# KiCad board HPM6E00ADCEVKRevC.kicad_pcb (continued)
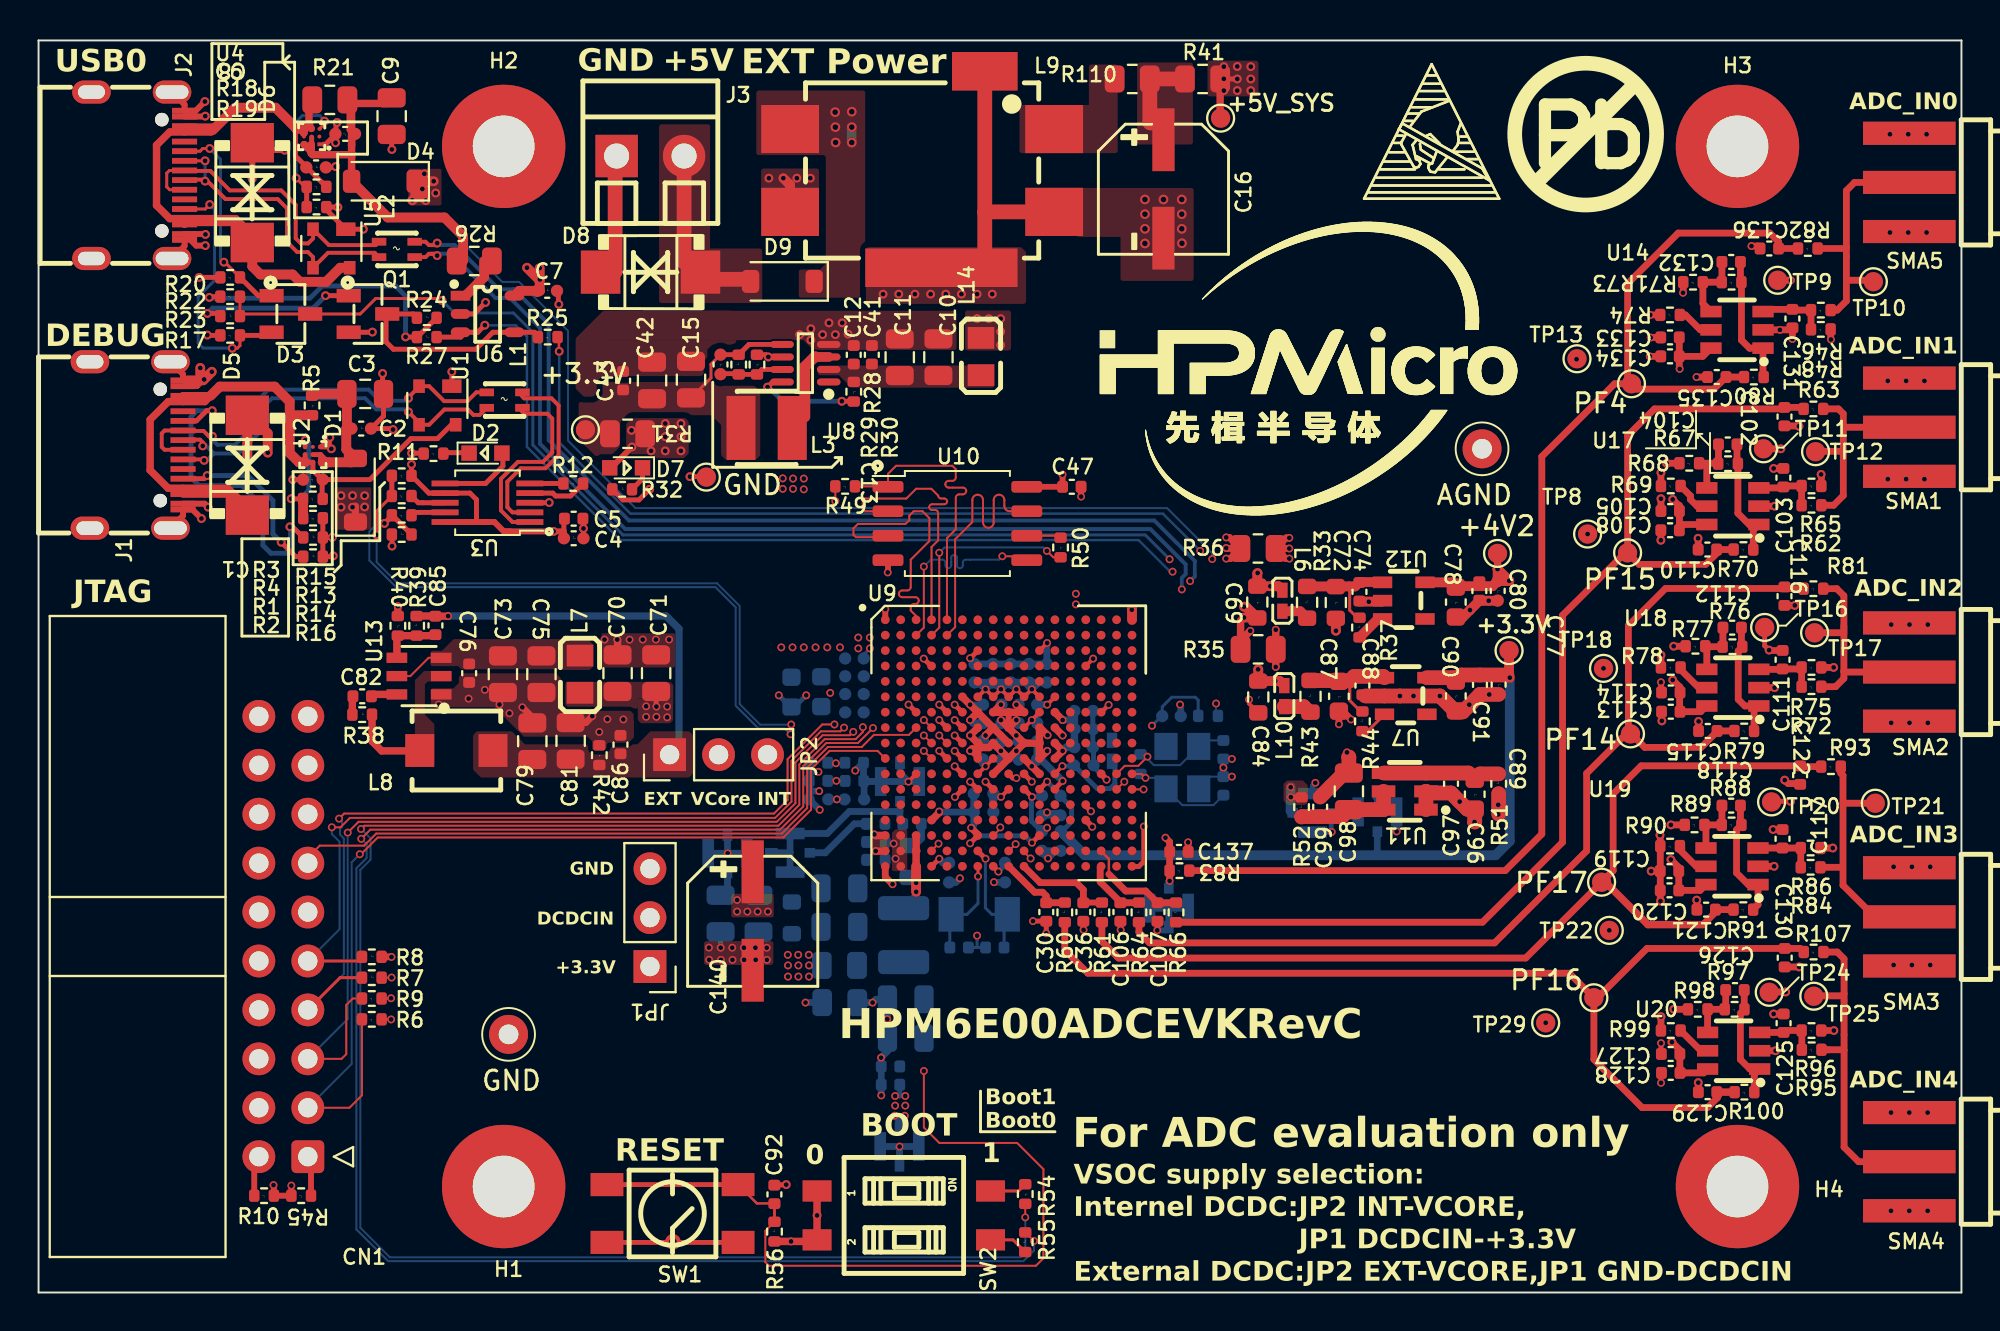
[diagram p0: board, top side]
## Routing (per net, layer and track width the routed paths; a pad name or vN(x,y) marks a point on that pad's centre or on a via; arc(x,y) is an arc through that point) (continued)
/HPM6E00ADCEVKRevC MAINENTRY/PA4: length 35.9
  Top w0.102: CN1.13 13.97,22.58 14.59,23.2 16.89,23.2 17.51,23.83 38.55,23.83 39.88,25.15 39.88,27.25 40.95,28.32 42.71,28.32 43.34,28.95 45.15,28.95 U9.H3
/HPM6E00ADCEVKRevC MAINENTRY/PA5: length 52.7
  Top w0.102: 46.33,29.32 v2(45.93,29.72) ; CN1.5 15.72,12.13 15.96,12.38 15.96,14.92 16.3,15.26 R9.2 ; v2(42.27,29.1) 42.09,28.93 40.68,28.93 39.27,27.52 39.27,25.4 38.3,24.44 16.6,24.44 v2(16.04,23.88)
  In2.Cu w0.102: v2(42.27,29.1) 42.27,29.36 42.91,30 43.64,30 43.92,29.72 v2(45.93,29.72)
  Bottom w0.102: CN1.5 16.04,14.2 v2(16.04,23.88)
/HPM6E00ADCEVKRevC MAINENTRY/PA6: length 46.8
  Top w0.102: v2(41.79,29.33) 41.6,29.13 40.59,29.13 39.06,27.6 39.06,25.49 38.22,24.64 16.15,24.64 15.66,24.15 v2(15.21,24.15)
  Top w0.152: CN1.9 16.56,17.21 R8.1
  Top w0.254: 47.13,29.32 v2(46.73,29.72)
  In2.Cu w0.102: v2(46.73,29.72) 46.37,30.07 45.78,30.07 45.63,29.92 44.01,29.92 43.72,30.2 42.67,30.2 v2(41.79,29.33)
  Bottom w0.102: v2(15.21,24.15) 15.21,23.8 15.61,23.4 15.61,18.86 CN1.9
/HPM6E00ADCEVKRevC MAINENTRY/PA7: length 50
  Top w0.102: v2(15.59,24.6) 15.85,24.86 38.15,24.86 38.86,25.57 38.86,27.69 40.66,29.49 v2(41.29,29.49)
  Top w0.152: CN1.7 15.64,16.34 R7.1
  Top w0.254: 47.13,30.12 v2(46.73,30.52)
  In2.Cu w0.102: v2(41.29,29.49) 42.21,30.41 43.81,30.41 44.09,30.12 45.52,30.12 45.71,30.32 46.53,30.32 v2(46.73,30.52)
  Bottom w0.102: v2(15.59,24.6) 15.74,24.45 15.74,24.17 15.64,24.08 15.64,23.77 15.84,23.58 15.84,16.54 CN1.7
/HPM6E00ADCEVKRevC MAINENTRY/PA8: length 52.2
  Top w0.102: 43.93,27.72 43.53,28.12 41.04,28.12 40.08,27.16 40.08,25.06 38.64,23.62 17.6,23.62 16.73,22.75 v2(16.66,22.75) ; CN1.3 16.13,9.59 16.78,10.24 R6.2
  Bottom w0.102: v2(16.66,22.75) 16.24,22.33 16.24,11.86 CN1.3
/HPM6E00ADCEVKRevC MAINENTRY/PF4: length 7.9
  Top w0.203: 58.85,23.03 58.83,23.03 58.69,22.88
  Top w0.254: 58.68,22.06 58.7,22.03 ; v2(54.6,24.98) 54.33,25.25 U9.N14
  Top w0.349: v2(58.68,21.37) R83.2 58.68,23.39 v2(58.46,23.61)
  In2.Cu w0.349: v2(54.6,24.98) 54.63,24.95 54.64,24.95 55.94,23.65 58.42,23.65 v2(58.46,23.61)
  Bottom w0.349: W5.1 58.64,21.33 v2(58.68,21.37)
/HPM6E00ADCEVKRevC MAINENTRY/PF14: length 3.3
  Top w0.349: 55.13,22.12 55.08,22.07 55.08,21.31 56.13,20.27 C106.1 57.08,20.23 R64.2
/HPM6E00ADCEVKRevC MAINENTRY/PF15: length 5.5
  Top w0.127: 55.13,22.92 55.53,22.52 55.53,21.72
  Top w0.349: R66.2 59,20.23 C107.1 57.44,20.84 56.4,20.84 55.53,21.72
/HPM6E00ADCEVKRevC MAINENTRY/PF16: length 3.9
  Top w0.349: R60.2 53.23,20.23 C30.1 52.28,20.58 52.09,20.78 51.67,20.78 U9.U9
/HPM6E00ADCEVKRevC MAINENTRY/PF17: length 5.2
  Top w0.3: R61.2 54.21,20.24 C36.1
  Top w0.349: C36.1 54.2,20.91 53.84,21.28 51.96,21.28 51.13,22.11 51.13,22.12
/HPM6E00ADCEVKRevC MAINENTRY/PF18: length 67.8
  Top w0.102: v2(51.47,22.53) 51.13,22.87 51.13,22.92
  Top w0.127: v1(27.01,48.86) 27,48.87 27,49.6
  In2.Cu w0.102: v2(51.47,22.53) 51.14,22.86 51.14,24.7 51.61,25.17 52.03,25.17 52.61,25.76 55.79,25.76 57,24.54 59.63,24.54 60.53,25.44 60.53,38.24 v2(60.27,38.5)
  Bottom w0.127: v1(27.01,48.86) 27.01,44.13 30.71,40.43 58.33,40.43 v2(60.27,38.5)
/HPM6E00ADCEVKRevC MAINENTRY/PF22: length 85.4
  Top w0.102: 50.33,22.92 50.69,23.28 v2(50.69,23.28)
  Top w0.152: R22.1 R23.2 10.56,50.8 16.69,50.8 17.49,51.6 20.83,51.6 v1(20.93,51.5)
  In2.Cu w0.102: v2(58.68,38.07) 59.18,38.07 59.53,37.72 59.93,37.72 60.33,37.32 60.33,25.52 59.55,24.75 57.08,24.75 55.87,25.96 52.53,25.96 51.94,25.37 51.27,25.37 50.69,24.79 v2(50.69,23.28)
  Bottom w0.152: v1(20.93,51.5) 21.58,50.85 24.64,50.85 25.64,49.85 25.64,44 30.32,39.33 57.42,39.33 v2(58.68,38.07)
/HPM6E00ADCEVKRevC MAINENTRY/PF23: length 74.2
  Top w0.102: 49.53,23.72 49.9,24.08 v2(49.9,24.14)
  Top w0.254: v1(23.15,50.22) 22.78,49.85 22.15,49.85 21.9,49.6 R27.2
  In2.Cu w0.102: v2(58.83,37.42) 59.82,37.42 60.12,37.12 60.12,25.61 59.46,24.95 57.19,24.95 55.98,26.16 49.86,26.16 49.42,25.72 49.42,24.62 v2(49.9,24.14)
  Bottom w0.127: v1(23.15,50.22) 23.16,50.21 24.75,50.21 25.34,49.62 25.34,43.9 30.18,39.06 57.07,39.06 58.68,37.45 58.97,37.45
/HPM6E00ADCEVKRevC MAINENTRY/Power/DCDC_3.3V: length 6.3
  Top w0.152: C13.1 34.88,48.19 34.88,47.48 C15.1
  Top w0.25: R29.2 36.32,48.69 C13.1
  Top w0.254: U8.5 36.86,49.22 R29.2
/HPM6E00ADCEVKRevC MAINENTRY/Power/SW: length 5
  Top w0.508: 39.75,45.46 39.07,44.78 ; U8.3 40.34,48.57
  Top w0.559: 40.34,48.57 40.26,48.57 39.75,48.06 39.75,45.46
/HPM6E00ADCEVKRevC MAINENTRY/USB0_N: length 66.7
  Top w0.102: 56.73,26.12 v2(57.33,26.12)
  Top w0.2: 20.68,53.8 20.55,53.92 20.4,53.92 ; 20.4,53.92 20.68,53.92 ; 20.4,53.92 20.25,53.92 20.08,53.75 19.52,53.75
  In2.Cu w0.102: v2(57.33,26.12) 57.18,25.97 57.18,25.68 57.39,25.47 59.27,25.47 59.58,25.78 59.58,36.45 59.53,36.5 v2(59.31,36.5)
  Bottom w0.2: v1(20.68,53.83) 20.78,53.93 21.4,53.93 23.7,51.64 24.45,51.64 26.02,50.08 26.02,44.06 30.44,39.63 57.68,39.63 59.51,37.8 59.51,37.3 59.31,37.1 v2(59.31,36.5)
/HPM6E00ADCEVKRevC MAINENTRY/USB0_P: length 68.7
  Top w0.102: 55.93,26.12 v2(56.33,26.52)
  Top w0.2: 20.51,54.38 20.68,54.38 ; 20.51,54.38 20.25,54.38 20.08,54.55 19.52,54.55 ; 20.51,54.38 20.6,54.38 20.68,54.45
  In2.Cu w0.102: v2(56.33,26.52) 56.88,25.97 56.88,25.55 57.27,25.16 59.39,25.16 59.88,25.65 59.88,36.58 59.74,36.72 v2(59.74,36.93)
  Bottom w0.2: v1(20.68,54.48) 20.78,54.38 21.59,54.38 23.88,52.09 24.65,52.09 26.46,50.28 26.46,44.24 30.63,40.08 57.89,40.08 59.99,37.98 59.99,37.18 v2(59.74,36.93)
/HPM6E00ADCEVKRevC MAINENTRY/USB/DN: length 15.9
  Top w0.152: J2.B7 8.64,58.75 v1(8.64,58.75)
  Top w0.2: 17.66,53.75 17.44,53.98 15.02,53.98 U5.3 14.24,53.75 13.98,54.01 13.42,54.01 12.89,54.54 12.89,56.28 12.41,56.77 9.69,56.77 8.68,57.77 8.1,57.77 8.08,57.75 J2.A7
  Bottom w0.152: v1(8.64,57.7) v1(8.64,58.75)
/HPM6E00ADCEVKRevC MAINENTRY/USB/DP: length 16.4
  Top w0.152: J2.A6 6.79,58.25 6.65,58.11 6.65,57.4 6.8,57.25 J2.B6
  Top w0.2: 17.66,54.55 17.49,54.38 15.06,54.38 U5.2 14.24,54.72 13.98,54.46 13.61,54.46 13.34,54.73 13.34,56.47 12.59,57.22 9.92,57.22 8.91,58.23 8.1,58.23 8.08,58.25 J2.A6
/HPM6E00ADCEVKRevC MAINENTRY/USB/VUSB_IN: length 36.4
  Top w0.254: R18.1 13.33,59 13.33,60.37 13.37,60.41
  Top w0.381: 13.75,60.18 13.77,60.2 U4.C3 14.06,60.7 ; J2.A9 7.68,55.55 10.43,55.55 11.09,54.89 10.23,55.75 J2.B4 6.81,55.75 6.12,56.44 6.12,59.56 6.81,60.25 J2.B9 8.94,60.25 9.19,60.5 7.63,60.5 ; 14.35,61.73 14.03,61.41 14.03,60.73 14.06,60.7 ; 14.06,60.7 14.06,60.52 14.15,60.43
  Top w0.508: U5.4 15.65,53.2 14.92,52.47 13.56,52.47 13.18,52.85 11.51,52.85 11.09,53.27 11.09,54.89 ; U4.C3 13.37,60.41 13.37,60.43 12.29,61.51 10.2,61.51 9.04,60.35
DCDC_GND: length 10.4
  Top w0.381: 44.73,23.72 44.69,23.72 ; 44.73,22.92 44.72,22.92 ; 44.73,22.12 44.73,22.12
  Bottom w0.349: 38.99,22.85 W1.3 40.91,23.83 42.06,24.97 44.69,24.97 ; 38.99,22.85 W1.2 ; 38.99,22.85 38.96,22.83 W1.4 ; W6.1 44.69,24.97 ; 44.69,24.97 44.69,24.47 C26.2
  vias: v2(44.36,23.31) v2(44.46,22.52)
DCDC_IN: length 4.7
  Top w0.381: v2(43.36,23.78) 43.42,23.72 43.93,23.72 ; v2(43.43,22.92) 43.93,22.92
  Bottom w0.349: W1.1 40.81,22.83 42.32,24.33 C28.1
DCDC_VCore: length 8
  Top w0.254: 47.93,26.12 47.54,25.73 v2(47.54,25.72)
  In2.Cu w0.203: 45.36,21.8 45.36,22.45 46.16,23.25 46.16,25.4 46.49,25.72 v2(47.54,25.72)
  Bottom w0.254: C124.1 44.68,10.21 44.69,10.2
  Bottom w0.349: v2(44.94,9.17) 44.66,8.9 W3.1 44.66,8.92 v2(44.41,9.17)
  vias: v2(44.44,10.2) v2(44.44,9.7) v2(44.96,10.2) v2(44.96,9.7)
VREFH: length 7.2
  Top w0.102: U9.M10 51.14,26.12 v2(51.54,25.73)
  Top w0.254: v2(51.54,25.73) 51.15,26.12 51.13,26.12
  Top w0.3: v2(64.97,25.72) 64.98,25.71 R52.2
  Bottom w0.254: 52.06,25.74 52.05,25.73 v2(51.54,25.73) 51.51,25.7 51.51,24.47 51.85,24.13 v2(52.32,24.13)
  Bottom w0.349: W8.1 64.97,25 v2(64.97,25.72)
  Bottom w0.508: v2(64.97,25.72) 64.96,25.73 v2(64.96,26.23) 64.96,25.01 W8.1
Net-(C16-Pad1): length 4.1
  Top w0.762: R41.1 R110.2 57.65,60.75 57.69,60.71
Net-(C26-Pad1): length 1.6
  Bottom w0.381: R47.1 45.41,23.2 45.79,23.58 45.79,24.32
Net-(C82-Pad2): length 1
  Top w0.381: R38.1 16.28,30.92 C82.2
Net-(C102-Pad1): length 60.2
  Top w0.349: R63.2 91.49,45.95 C102.1 90.5,45.87 83.83,45.87 82.44,44.47 82.44,38.43 ; R70.2 87.26,38.57 86.49,37.8 83.04,37.8 TP15.1 82.31,38.4 79.06,35.16 79.06,23.38 74.91,19.22 R66.1
Net-(C115-Pad1): length 54.7
  Top w0.349: R81.2 90.67,36.54 C116.1 90.5,36.55 84.41,36.55 82.48,34.62 82.48,29.15 83.33,28.3 86.26,28.3 87.11,29.15 R79.2 ; TP19.1 82.36,29 80.31,26.95 80.31,22.92 75.54,18.15 57.64,18.15 57.09,18.7 R64.1
Net-(C121-Pad1): length 53.3
  Top w0.349: TP23.1 81.69,21.9 81.69,25.89 83.14,27.34 91.35,27.34 91.39,27.38 ; TP23.1 81.17,21.3 ; TP23.1 77.15,17.36 56.03,17.36 55.17,18.22 R61.1 ; R93.2 91.43,27.3 C122.1 ; 86.36,19.1 87.13,19.88 R91.2
  Top w0.381: TP23.1 81.29,21.3 83.49,19.1 86.36,19.1
Net-(C129-Pad1): length 54
  Top w0.349: TP30.1 80.88,15.3 83.44,17.86 91.39,17.86 R107.2 ; TP30.1 79.42,16.58 54.44,16.58 53.24,17.77 R60.1 ; TP30.1 80.69,12.1 83.19,9.6 86.59,9.6 87.1,10.11 87.1,10.4
  Top w0.381: 87.1,10.4 R100.2
Net-(C135-Pad1): length 66.8
  Top w0.349: R82.2 C136.1 90.27,54.55 89.82,55 85.06,55 82.44,52.38 82.44,47.38 TP14.1 ; TP14.1 81.77,47.17 77.99,43.4 77.99,23.8 76.09,21.9 R83.1 ; TP14.1 82.92,46.9 86.92,46.9 87.55,47.53 R80.2
Net-(CN1-Pad1): length 2.1
  Top w0.3: 14.13,5.03 14.13,6.89 CN1.1
Net-(CN1-Pad2): length 2.1
  Top w0.3: R10.2 11.19,6.81 CN1.2
Net-(D1-A): length 8.6
  Top w0.254: U2.A2 15.03,43.1 15.07,43.1 ; U2.A2 U2.A3 ; U2.A2 U2.B2
  Top w0.508: R5.1 14.28,46.65 C3.1 16,44.88 15.96,44.85 15.96,43.78 D1.2 16.24,43.1 14.74,43.1
Net-(D2-A): length 4.1
  Top w0.254: 24.09,43.6 24.09,42.9 23.19,42 U3.6
Net-(D2-K): length 1.1
  Top w0.254: 22.09,43.6 21.05,43.6 R11.1
Net-(D7-K): length 1.3
  Top w0.254: R32.2 31.33,42.24 D7.1
Net-(D9-A): length 9.4
  Top w0.762: J3.2 33.49,53.51 34.4,52.6 36.83,52.6 D9.2
Net-(J1-CC1): length 16.2
  Top w0.25: 7.49,45.25 8.19,45.25 8.72,45.78 v1(9.01,45.78) ; v1(13.04,39.75) 13.18,39.75 R1.1
  Bottom w0.25: v1(13.04,39.75) 13.07,39.72 13.07,38.62 12.83,38.38 12.05,38.38 11.64,38.79 11.64,40.8 10.55,41.89 8.33,41.89 7.91,42.31 7.91,45.46 8.23,45.78 v1(9.01,45.78)
Net-(J1-CC2): length 9.1
  Top w0.25: v1(12.59,38.95) 13.34,38.2 R2.1 ; v1(8.75,42.41) 8.59,42.25 7.49,42.25
  Bottom w0.25: v1(8.75,42.41) 10.86,42.41 12.16,41.11 12.16,39.38 v1(12.59,38.95)
Net-(J2-CC1): length 10.8
  Top w0.152: v1(9.61,53.49) 9.66,53.49 R20.1 ; v1(8.88,59.39) 8.52,59.39 8.38,59.25 J2.A5
  Top w0.254: 12.15,51.75 11.4,51.75 R20.1
  Bottom w0.152: v1(8.88,59.39) 9.44,58.83 9.44,53.64 9.59,53.49 v1(9.61,53.49)
Net-(J2-CC2): length 13.7
  Top w0.152: J2.B5 8.65,56.25 v1(8.88,56.48) ; R17.1 10.45,49.16 10.31,49.02 v1(10.05,49.02)
  Top w0.254: R17.1 11.99,49.69 12.15,49.85
  Bottom w0.152: v1(10.05,49.02) 10.04,49.03 8.54,49.03 8.28,49.29 8.28,51.69 9.13,52.54 9.13,56.23 v1(8.88,56.48)
Net-(JP1-C): length 1.3
  Bottom w0.349: W2.1 35.74,20.98 C14.1
  vias: v2(36.24,20.38) v2(36.24,19.78) v2(36.77,19.78) v2(37.31,19.78) v2(37.84,19.78)
Net-(L6-Pad2): length 1.4
  Top w0.508: L6.2 65.45,35.37 R33.1
Net-(L9-CB): length 0.5
  Top w0.762: L9.2 53.23,60.4
Net-(L10-Pad2): length 1.4
  Top w0.762: 65.93,30.12 65.63,30.42 L10.2
Net-(Q1-D): length 11.7
  Top w0.254: R24.1 19.43,50.8 18.03,50.8 18.03,49.35 18.41,48.97 22.69,48.97 23.57,49.85 25.73,49.85 25.98,49.6
Net-(Q1-G): length 8.5
  Top w0.254: R23.1 9.29,50.83 v1(8.76,50.83) ; 16.15,51.75 v1(14.89,51.75)
  Bottom w0.254: v1(14.89,51.75) 14.24,51.1 9.03,51.1 v1(8.76,50.83)
Net-(SW2-PIN3): length 2.1
  Top w0.152: SW2.3 50.56,2.73 R55.1
Net-(SW2-PIN4): length 1.9
  Top w0.152: R54.1 50.84,5.27 SW2.4
Net-(U2-OVLO): length 5.8
  Top w0.25: v1(13.11,41.21) 13.12,41.2 R3.2 ; U2.C1 13.83,44.24 v1(13.84,44.25)
  Top w0.508: R3.2 13.72,40.21 R4.2
  Bottom w0.25: v1(13.11,41.21) 13.58,41.21 14.02,41.65 14.02,44.12 13.84,44.3
Net-(U3-RXD): length 1.8
  Top w0.254: U3.9 19.5,40.5 R14.1
Net-(U3-TXD): length 1.9
  Top w0.254: R13.1 19.7,41 U3.8
Net-(U3-~{CTS}): length 1.7
  Top w0.254: U3.5 R12.2
Net-(U3-~{RTS}): length 3.1
  Top w0.254: R12.1 27.6,41.35 26.83,41.35 26.68,41.5 U3.4
Net-(U4-OVLO): length 6.9
  Top w0.152: R18.2 13.82,57.4 v1(13.37,57.85) ; 14.62,60.41 14.62,60.46 14.84,60.68 v1(14.84,60.81)
  Top w0.254: R18.2 R19.2
  Bottom w0.152: v1(14.84,60.81) 14.84,60.85 14.59,61.1 13.69,61.1 13.37,60.78 13.37,57.85 v1(13.37,57.85)
Net-(U6-OUT): length 2.2
  Top w0.508: 22.15,51.75 23.12,52.71 23.12,53.55
Net-(U7-EN): length 1.6
  Top w0.152: 68.63,29.11 68.92,29.11 U7.3
Net-(U7-IN): length 5.9
  Top w0.152: 68.03,31.76 68.03,30.73 68.63,30.13
  Top w0.762: 65.93,31.77 67.39,31.77 67.4,31.76 68.03,31.76 68.26,31.98 69.76,31.98 U7.1
Net-(U8-EN): length 5.7
  Top w0.254: U8.8 38.08,47.27 v1(37.82,47) ; 42.36,46.27 v1(41.67,46.27)
  Bottom w0.254: v1(37.82,47) 37.87,47 38.61,46.27 v1(41.67,46.27)
Net-(U8-FB): length 3.3
  Top w0.25: U8.7 37.53,47.92 R30.2 R29.1 36.29,47.7 35.38,47.7
Net-(U9C-USB0_VBUS): length 9.7
  Top w0.381: 52.73,29.32 v2(53.13,28.92)
  In2.Cu w0.152: v2(53.13,28.92) 57.26,28.92 v2(57.77,29.42)
  Bottom w0.152: v2(57.77,29.42) 58.3,29.95 58.3,30.41 58.79,30.9 60.02,30.9 60.17,30.75 60.17,29.78
Net-(U9C-XTALI): length 5.6
  Top w0.102: 56.73,26.92 57.23,26.92 v2(57.43,26.72)
  Bottom w0.102: v2(57.43,26.72) 57.92,26.72 X1.3 59.34,25.3 60.95,25.3 C66.1
Net-(U9C-XTALO): length 6.7
  Top w0.102: v2(57.53,27.82) 57.05,27.34 56.35,27.34 55.93,26.92
  Bottom w0.102: C67.1 60.5,28.66 X1.1 59.21,27.38 57.86,27.38 57.53,27.71 v2(57.53,27.82)
Net-(U9O-VIO_B12): length 5.2
  Top w0.203: 53.14,27.32 v2(53.11,27.32) 52.73,26.94 52.73,26.92
  Top w0.254: 53.18,27.32 53.14,27.32
  Bottom w0.254: L5.2 55.84,27.43 55.84,26.41 55.59,26.16 54.93,26.16 53.77,27.32 53.12,27.32
  Bottom w0.381: 53.12,27.32 v2(53.11,27.32)
Net-(U9P-VDD_OTPCAP): length 8.9
  Top w0.254: 49.53,26.12 v2(49.13,26.52)
  In2.Cu w0.152: v2(49.13,26.52) 48.75,26.14 46.23,26.14 45.69,25.6 v2(41.41,25.6) 41.58,25.77
Net-(U9P-VDD_PHY0CAP): length 7.8
  Top w0.254: 48.73,26.12 v2(48.33,26.52)
  In2.Cu w0.152: v2(48.33,26.52) 47.91,26.94 44.85,26.94 44.47,26.56 v2(41.39,26.56)
Net-(U9P-VDD_PHY1CAP): length 7.2
  Top w0.254: 47.93,26.92 v2(47.53,27.32)
  In2.Cu w0.152: v2(47.53,27.32) 47.37,27.47 v2(41.36,27.47)
  Bottom w0.254: C59.1 41.34,27.5 v2(41.36,27.47)
Net-(U9P-VDD_PMCCAP): length 2.1
  Top w0.203: 50.32,26.12 v2(49.93,25.73)
  Top w0.254: 49.99,25.73 49.93,25.73 v2(49.93,25.73)
  Top w0.381: 50.33,26.12 50.32,26.12
  Bottom w0.203: v2(49.93,25.73) 49.68,25.73
  Bottom w0.381: 49.68,25.73 49.51,25.9 49.51,24.94
Net-(U10-CLK): length 1.8
  Top w0.102: R50.1 52.92,39.29 U10.6
Net-(U11-ENABLE): length 6.2
  Top w0.762: R51.2 74.79,26.92 C96.1 74.18,26.97 U11.3 U11.4
Net-(U11-OUT_F): length 5.4
  Top w0.762: R52.1 65.54,24.71 67.62,24.71 C98.1 U11.6 U11.5
Net-(U12-EN): length 1.6
  Top w0.508: R37.1 69.49,34.97 U12.3
Net-(U12-IN): length 5.9
  Top w0.152: 68,36.66 68.02,36.63 68.02,35.42 68.41,35.03 R37.2
  Top w0.508: U12.1 69.71,36.88 68.53,36.88 68.3,36.66 R33.2
Net-(U13-BOOT): length 1.4
  Top w0.381: U13.6 17.37,31.05 C82.1
Net-(U13-EN): length 2.7
  Top w0.102: U13.3 20.24,32.95 19.29,32 U13.5
Net-(U13-FB): length 3.1
  Top w0.381: C85.2 20.54,34.1 R40.2 18.59,34.05 U13.4
Net-(U13-SW): length 4.5
  Top w0.381: R38.2 17.3,28.62 17.8,28.12 20.19,28.12
Net-(U14-+IN): length 3.6
  Top w0.349: R48.2 R46.2 91.03,51 C131.1 89.58,51.04 U14.3
Net-(U14--IN): length 3.7
  Top w0.349: C132.2 87.33,52.46 R71.2 R73.1 86.34,51.34 U14.4
Net-(U14-MODE): length 1.9
  Top w0.349: U14.5 86.21,49.97 85.44,50.75 R74.1
Net-(U14-OUT): length 6.9
  Top w0.349: R80.1 89.46,47.56 U14.1 88.77,49.03 88.34,49.44 R71.1 88.3,52.5 C132.1
Net-(U17-+IN): length 3.3
  Top w0.349: R62.2 R65.2 90.57,41.87 C103.1 90.47,41.77 U17.3
Net-(U17--IN): length 3.1
  Top w0.349: U17.4 86.55,42.89 86.47,42.97 ; 87.15,44.03 87.15,43.04 ; 87.05,43.05 R68.1
Net-(U17-MODE): length 1.9
  Top w0.349: U17.5 86.05,40.82 85.7,41.17 85.7,41.36 R69.1
Net-(U17-OUT): length 6.3
  Top w0.349: R70.1 88.96,39.58 U17.1 88.75,39.87 88.16,40.46 R67.1 ; C104.1 88.11,43.07
Net-(U18-+IN): length 3.3
  Top w0.349: U18.3 90.46,32.35 C111.1 91.39,32.37 R75.2 R72.2
Net-(U18--IN): length 3.1
  Top w0.349: C112.2 87.39,33.54 R76.2 86.49,33.53 R77.1 86.55,33.47 U18.4
Net-(U18-MODE): length 1.9
  Top w0.349: R78.1 85.19,32.34 86.13,31.4 U18.5
Net-(U18-OUT): length 6.4
  Top w0.349: C112.1 88.35,33.57 R76.1 88.18,33.31 88.18,30.79 88.52,30.45 U18.1 89,30.2 R79.1
Net-(U19-+IN): length 3.2
  Top w0.349: R84.2 R86.2 C117.1 U19.3
Net-(U19--IN): length 3.1
  Top w0.349: U19.4 86.5,24.19 R89.1 R88.2 87.33,24.28 C118.2
Net-(U19-MODE): length 1.9
  Top w0.349: R90.1 85.15,22.97 86,22.12 U19.5
Net-(U19-OUT): length 6.4
  Top w0.349: C118.1 88.29,24.33 R88.1 88.09,24.02 88.09,21.79 88.7,21.17 U19.1 89.2,20.12 R91.1
Net-(U20-+IN): length 3.2
  Top w0.349: U20.3 C125.1 90.63,13.6 R96.2 91.48,13.59 R95.2
Net-(U20--IN): length 3.1
  Top w0.349: C126.2 87.53,14.75 R97.2 R98.1 U20.4
Net-(U20-MODE): length 1.8
  Top w0.349: R99.1 86.24,12.55 U20.5
Net-(U20-OUT): length 6.2
  Top w0.349: C126.1 88.49,14.71 R97.1 88.29,14.49 88.29,12.1 88.79,11.6 U20.1 89.01,11.32 R100.1

## Copper pours and planes (outline as drawn; the poured copper is in the pictures)
5V_SYS on Top: 48.07,48.91 48.07,50.98 50.45,50.98 50.45,48.91
5V_SYS on Top: 27.4,31.7 32.77,31.7 32.93,31.54 32.93,30.52 32.73,30.32 27.53,30.32 27.33,30.52 27.33,31.63
5V_SYS on Top: 31.09,29.71 31.24,29.55 32.77,29.55 32.92,29.71 32.92,30.82 31.09,30.82
5V_SYS on Top: 60.64,63.95 63.29,63.95 63.29,62.1 60.64,62.1
5V_SYS on Bottom: 38.33,41.29 48.08,41.29 49.99,43.19 49.99,50.84 49.86,50.97 48.74,50.97 48.59,50.81 48.59,43.93 47.29,42.64 38.33,42.64
5V_SYS on In2.Cu: 61.58,61.13 61.58,31.28 64.59,31.28 64.59,61.13
5V_SYS on In2.Cu: 28.4,29 26.64,30.75 26.64,43.19 40.16,43.19 40.16,40.15 30.32,40.15 29.67,39.42 29.67,32.02 30.28,31.41 33.15,31.41 33.15,29
5V_SYS on In2.Cu: 48.21,46.05 58.04,46.05 58.04,58.9 58.09,58.95 64.59,58.95 64.59,64.45 53.84,64.45 53.79,64.4 53.79,51.35 48.21,51.35
+1V2 on Top: 24.55,29.14 25.23,28.46 31.06,28.46 31.75,29.14 33.75,29.14 33.95,28.94 33.95,26.94 33.75,26.74 22.95,26.74 22.55,27.14 22.55,28.94 22.75,29.14
+3.3V on Top: 30.48,45.09 30.79,45.39 33.56,45.39 33.73,45.22 33.73,43.56 33.48,43.31 30.96,43.31 30.48,43.79
+3.3V on Bottom: 53.11,32.03 53.42,32.33 53.42,36.42 53.54,36.55 54.06,36.55 54.24,36.38 54.24,31.88 54.44,31.67 56.09,31.67 56.42,31.35 56.42,28.5 55.95,28.03 55.41,28.03 55.41,30.78 55.27,30.92 54.14,30.92 53.96,30.75 53.96,28.05 53.79,27.88 53.02,27.88 52.94,27.95 52.94,28.38 53.11,28.55 53.44,28.55 53.54,28.65 53.54,30.6 53.06,31.08 48.31,31.08 48.11,31.28 48.11,31.88 48.27,32.03
+3.3V on Bottom: 47.88,31.01 47.59,31.3 44.05,31.3 43.73,31.62 43.73,34.06 43.63,34.16 42.43,34.16 42.34,34.06 42.34,30.09 42.75,29.68 46.68,29.68 46.88,29.48 46.88,27.89 47.01,27.76 47.78,27.76 47.88,27.86
+3.3V on In2.Cu: 31.94,27.07 33.91,27.07 34.02,26.97 34.02,26.5 34.29,26.22 36.19,26.22 36.31,26.1 36.31,22.75 38.14,20.92 41.31,20.92 42.09,20.15 42.09,8.12 41.35,7.39 33.68,7.39 31.66,9.4 31.66,26.79
+3.3V on In2.Cu: 5.11,54.24 5.11,0.6 50.37,0.6 50.39,0.62 50.39,22.76 46.2,22.76 46.2,9.67 45.09,8.56 35.29,8.56 33.16,10.69 33.16,28.6 28.24,28.6 26.27,30.58 26.27,43.53 40.52,43.53 40.52,39.83 30.54,39.83 29.99,39.28 29.99,32.17 30.34,31.83 34.09,31.83 34.16,31.9 34.16,33.58 58.21,33.58 58.36,33.72 58.36,44.4 57.64,45.25 48.42,45.25 47.81,45.85 47.81,51.35 19.23,51.35 18.31,50.43 18.31,39.03 10.52,39.03 10.52,54.19 10.46,54.24
+4V_OPA on In2.Cu: 75.13,10.35 86.54,10.35 86.54,50.1 75.13,50.1
+5V on Top: 15.34,41.8 17.26,41.8 17.26,39.6 15.34,39.6
+5V on Top: 20.9,58.34 20.9,56.48 20.85,56.43 19.29,56.43 19.18,56.54 19.18,58.34
+5V on Top: 42.89,62.4 42.89,51.64 39.44,51.64 39.44,53.11 40.54,53.11 40.84,53.41 40.84,58.95 40.74,59.05 37.24,59.05 37.24,62.4
+5V on In2.Cu: 17.09,50.91 17.87,51.59 43.84,51.59 43.84,63.16 37.22,63.16 37.22,56.4 20.95,56.4 20.95,58.51 15.13,58.51 12.84,56.22 12.84,40.31 17.09,40.31
GND on Top: 38.05,18.24 38.12,18.17 38.12,17.09 38.03,17 34.61,17 34.52,17.09 34.52,18.16 34.6,18.24
GND on Top: 37.49,58.35 40.49,58.35 40.49,56.45 37.49,56.45
GND on Top: 42.93,51.32 51.23,51.32 51.23,54.01 50.98,54.27 43.03,54.27 42.93,54.19
GND on Top: 29.34,49.44 39.67,49.44 40.18,48.93 47.62,48.93 47.62,50.97 29.34,50.97
GND on Top: 53.85,57.34 59.93,57.34 59.93,52.52 56.13,52.52 56.13,54.8 53.85,54.8
GND on Top: 29.31,50.98 27.87,49.53 27.87,46.92 28.27,46.51 28.78,46.51 28.96,46.69 28.96,47.3 29.24,47.58 34.39,47.58 34.7,47.88 34.7,48.95 34.95,49.2 36.1,49.2 36.2,49.3 36.2,50.7 35.92,50.98
GND on Top: 33.02,34.23 33.02,32.45 29.21,32.45 29.21,34.23
GND on Top: 21.52,31.36 21.8,31.64 21.8,31.94 22.01,32.15 26.84,32.15 27.09,31.9 27.09,30.46 27.35,30.2 30.7,30.2 30.89,30.01 30.89,28.82 30.61,28.54 29.56,28.54 29.47,28.45 29.47,28.27 29.33,28.13 28.77,28.13 28.72,28.19 28.72,28.61 28.48,28.85 25.18,28.85 23.65,30.38 20.51,30.38 20.35,30.54 20.35,31.32 20.4,31.36
GND on Bottom: 38.05,19.25 38.19,19.11 38.19,17.92 38.42,17.69 41.14,17.69 41.4,17.43 41.4,16.26 41.75,15.91 44.43,15.91 44.58,15.76 44.58,12.53 44.05,12 44.05,10.28 43.9,10.13 43.41,10.13 43.21,10.33 43.21,13.29 42.31,14.19 39.8,14.19 39.53,14.46 39.53,15.98 39.45,16.06 38.41,16.06 37.99,16.48 37.99,19.19
GND on Bottom: 41.22,31.43 41.38,31.28 41.38,29.71 41.43,29.66 42.19,29.66 42.24,29.71 42.24,33.69 42.06,33.87 38.43,33.87 38.25,33.69 38.25,31.54 38.35,31.43
GND on Bottom: 49.49,27.06 51.29,27.06 51.29,30.99 49.49,30.99
GND on Bottom: 61.73,29.47 62.67,28.53 62.67,25.73 61.37,24.43 57.6,24.43 56.72,25.32 56.72,28.34 56.95,28.57 57.29,28.57 58.16,29.47
GND on Bottom: 34.57,16.6 34.69,16.48 38.04,16.48 38.13,16.57 38.13,19.17 38.05,19.25 34.67,19.25 34.57,19.15
GND on In1.Cu: 0.41,64.37 0.41,0.45 49.49,0.45 49.49,27.85 54.16,27.85 54.16,24.14 60.78,24.14 62.99,26.35 62.99,64.43
GNDA on In1.Cu: 50.04,0.45 99.77,0.45 99.77,64.4 63.89,64.4 63.89,25.88 61.44,23.42 53.92,23.42 53.64,23.7 53.64,25.43 52.15,26.92 50.04,26.92
VDD_SOC on Bottom: 51.39,30.99 51.39,27.08 52.14,27.08 52.14,30.99
VDD_SOC on Bottom: 38.3,29.68 41.05,29.68 41.3,29.94 41.3,31.13 41.15,31.28 38.33,31.28 38.13,31.08 38.13,29.86
VDD_SOC on Bottom: 49.23,30.92 49.38,30.77 49.38,27.22 49.23,27.07 48.68,27.07 48.53,27.22 48.53,29.17 48.08,29.62 48.08,30.72 48.28,30.92
VDD_SOC on In2.Cu: 36.6,28.72 38.48,30.6 46.82,30.6 48.36,29.06 48.36,27 49.08,26.27 53.4,26.27 53.54,26.41 53.54,27.12 52.91,27.75 52.91,33.18 34.38,33.18 34.38,26.76 34.58,26.56 36.37,26.56 36.6,26.79
/HPM6E00ADCEVKRevC MAINENTRY/Power/DCDC_3.3V on Top: 30.25,45.22 30.58,45.55 34.9,45.55 35.41,45.04 35.41,43.46 35.64,43.23 37.21,43.23 37.44,43.46 37.44,46.76 37.14,47.07 35.21,47.07 34.89,47.39 29.33,47.39 28.96,47.02 28.96,46.69 28.78,46.51 28.27,46.51 28.02,46.26 28.02,44.3 29.11,43.21 29.11,42.37 29.24,42.24 30.08,42.24 30.25,42.42
DCDC_GND on Top: 44.27,23.85 44.46,24.05 44.99,24.05 45.06,23.97 45.06,21.95 44.99,21.88 44.34,21.88 44.27,21.95
DCDC_GND on Bottom: 43.1,16.36 43.1,20.28 44.68,21.86 44.68,23.69 45.13,24.14 45.13,24.58 45.06,24.65 43.66,24.65 43.47,24.45 43.47,22.32 43.18,22.03 42.09,22.03 41.61,21.55 41.61,16.32 41.8,16.13 42.87,16.13
DCDC_IN on Top: 43.16,22.78 43.24,22.7 43.96,22.7 44.04,22.78 44.04,23.84 43.93,23.95 43.21,23.95 43.16,23.9
DCDC_IN on Bottom: 39.73,19.34 40.1,19.7 40.1,22.39 42.09,24.39 43.35,24.39 43.47,24.27 43.47,22.38 43.12,22.03 42.09,22.03 41.57,21.51 41.57,18.09 41.34,17.86 38.65,17.86 38.4,18.11 38.4,19.16 38.58,19.34
DCDC_VCore on Top: 36.14,18.22 37.46,18.22 37.46,15.25 36.14,15.25
DCDC_VCore on Bottom: 43.55,16.53 43.85,16.22 44.46,16.22 44.74,15.95 44.74,12.72 44.17,12.16 44.17,9.09 44.34,8.92 45.04,8.92 45.19,9.08 45.19,11.6 45.84,12.25 46.24,12.25 46.39,12.4 46.39,17.59 46.2,17.78 43.71,17.78 43.55,17.62
DCDC_VCore on In2.Cu: 37.06,29.12 39.24,29.12 39.61,28.75 39.61,25.47 40.64,24.45 44.91,24.45 45.69,23.67 45.69,9.38 45.21,8.9 42.91,8.9 42.39,9.42 42.39,20.3 41.49,21.2 38.29,21.2 36.6,22.89 36.6,28.66
VREFH on Top: 64.59,25.53 64.81,25.31 65.72,25.31 65.84,25.44 65.84,26.33 65.6,26.58 64.76,26.58 64.59,26.41
VREFH on In2.Cu: 53.64,24.5 55.04,23.1 64.11,23.1 64.44,23.42 64.44,26.58 64.67,26.8 65.27,26.8 65.46,26.6 65.46,22.88 64.74,22.15 54.59,22.15 53.14,23.6 51.81,23.6 51.74,23.67 51.74,24.4 51.84,24.5
Net-(C16-Pad1) on Top: 56.99,59.6 59.89,59.6 59.89,63.85 56.99,63.85
Net-(D9-A) on Top: 32.19,60.65 32.19,51.37 37.54,51.37 37.54,54.2 34.84,54.2 34.84,60.65
Net-(JP1-C) on Top: 38.06,20.7 38.14,20.62 38.14,19.53 38.09,19.47 35.99,19.47 35.94,19.53 35.94,20.62 36.02,20.7
Net-(JP1-C) on Bottom: 33.34,18.35 34.54,19.55 39.55,19.55 39.77,19.76 39.77,20.9 39.41,21.25 33.64,21.25 32.94,20.55 31.11,20.55 30.61,20.05 30.61,18.88 31.14,18.35
Net-(L9-CB) on Top: 50.89,59.15 55.99,59.15 55.99,63.75 54.49,63.75 54.49,61.65 50.89,61.65
